# KiCad board SparkFun_GNSS_DAN-F10N_panelized.kicad_pcb (continued)
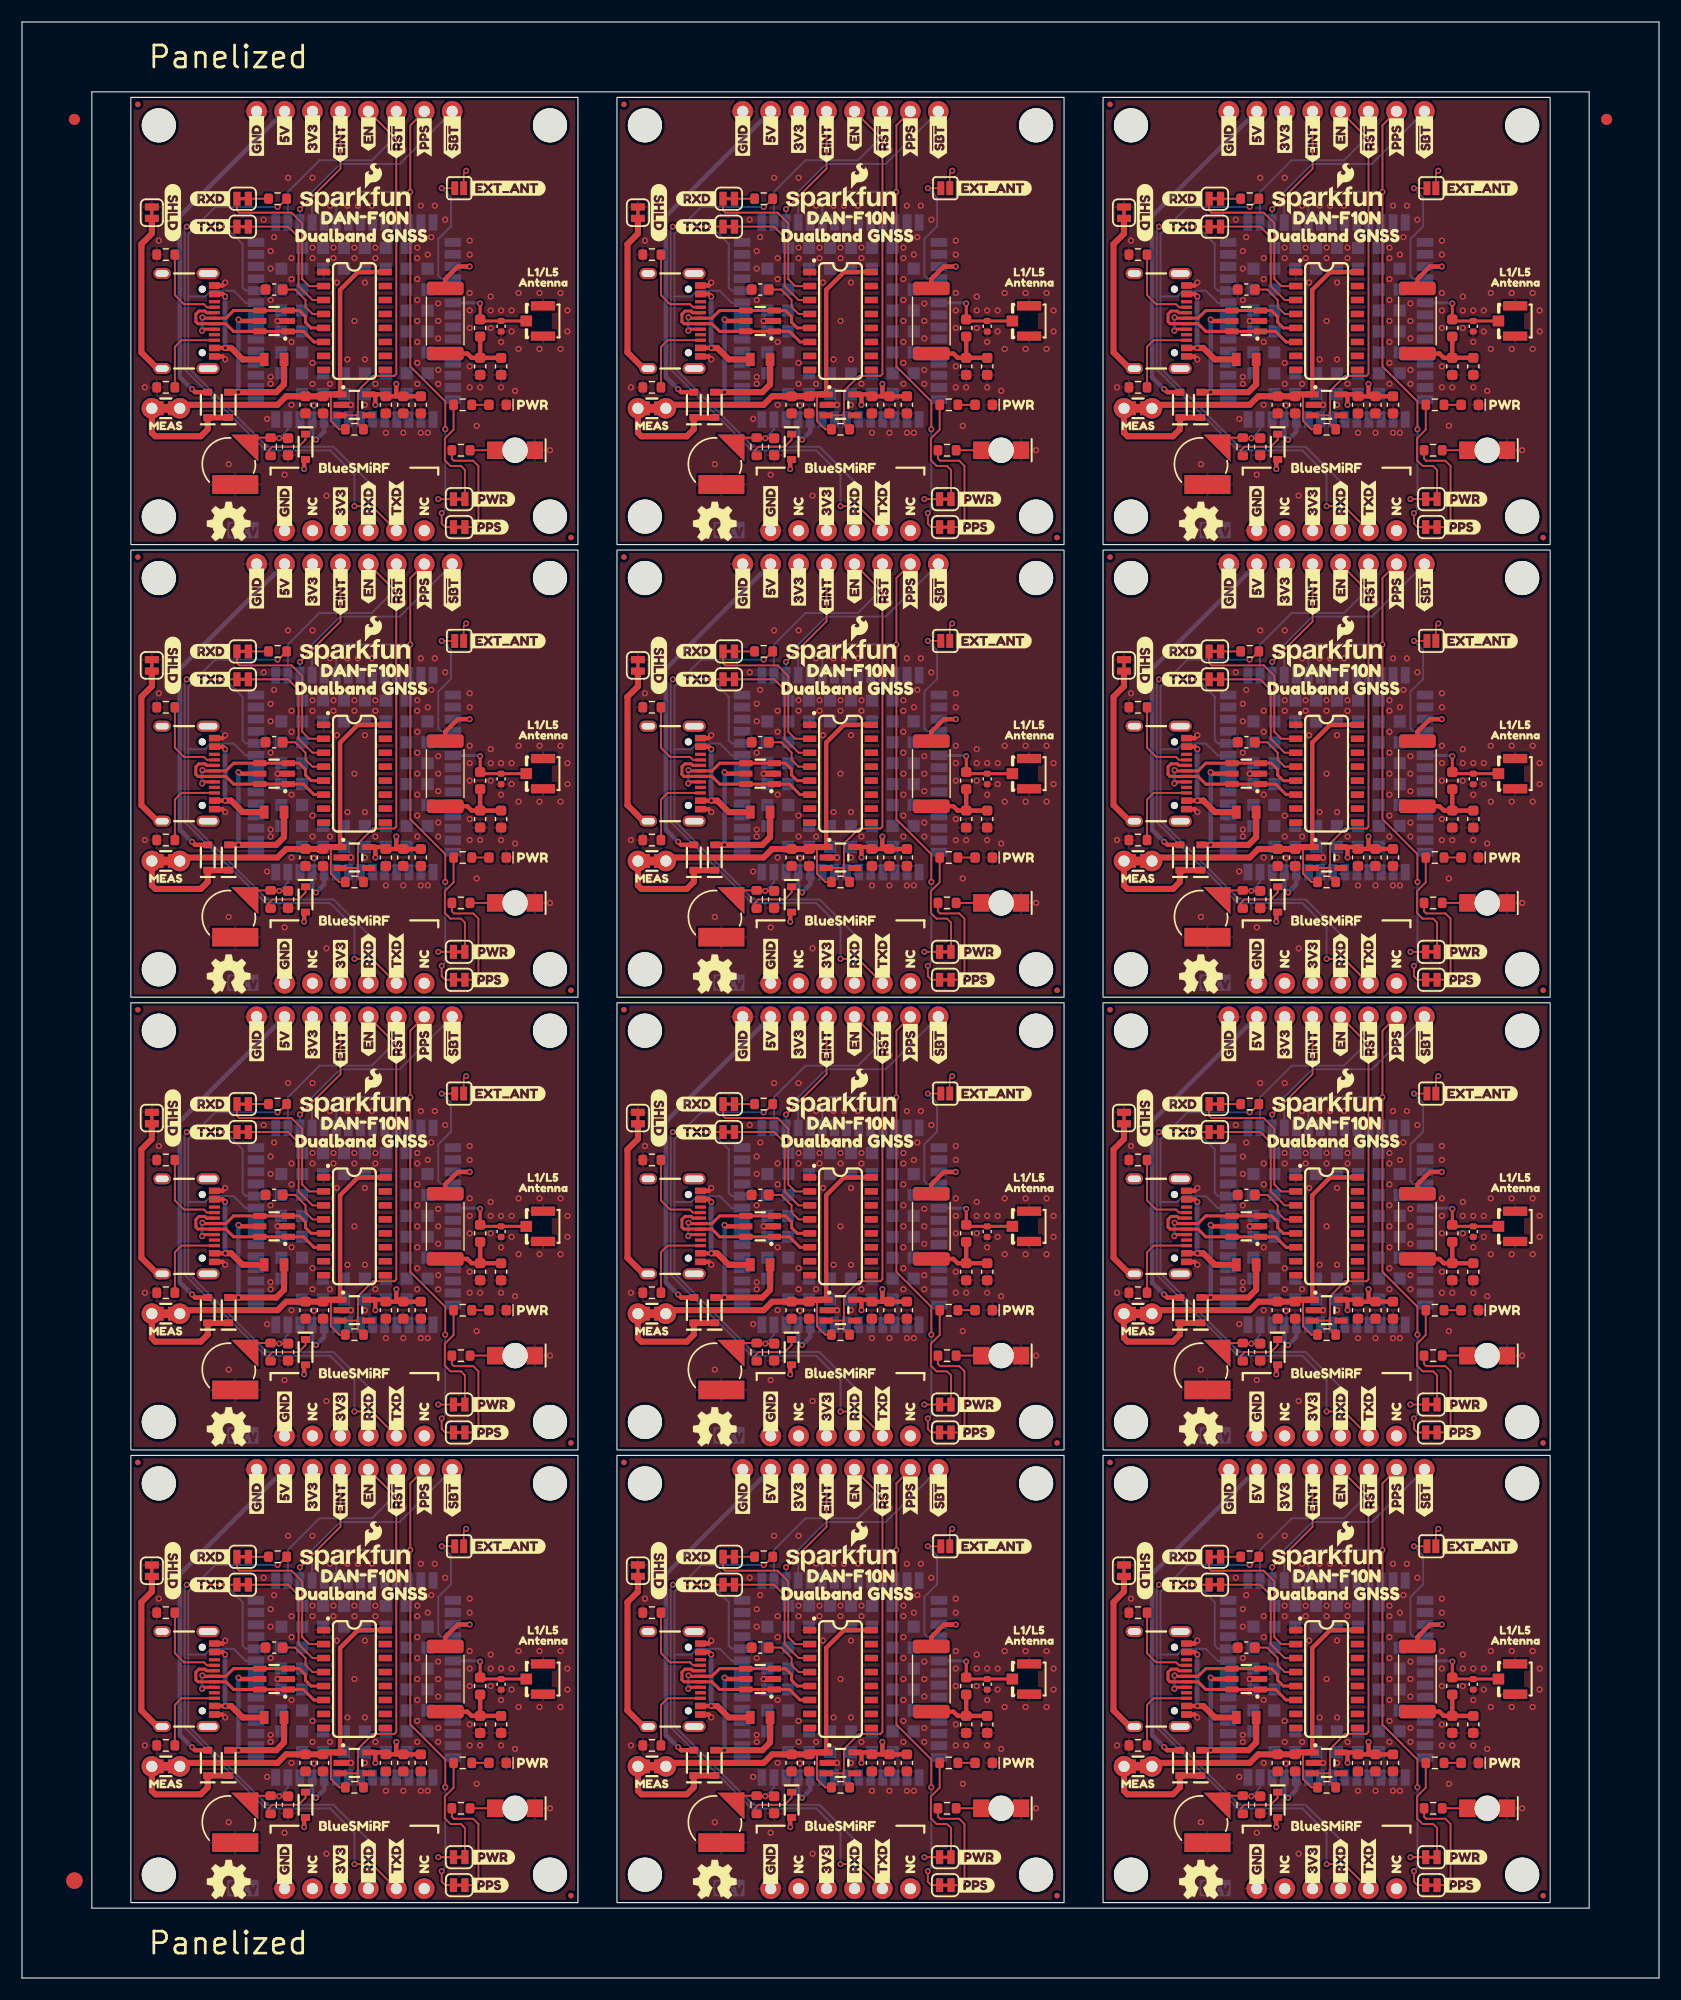
[diagram p0: board, top side]
## Routing (per net, layer and track width the routed paths; a pad name or vN(x,y) marks a point on that pad's centre or on a via; arc(x,y) is an arc through that point) (continued)
  Bottom w0.406: v1(84.88,73.26) U6#7.31 ; v1(84.88,32.12) U6#3.31 ; v1(40.7,32.12) U6.31 ; v1(84.88,155.54) U6#8.31 ; v1(129.07,73.26) U6#10.31 ; v1(40.7,114.4) U6#2.31 ; v1(84.88,114.4) U6#12.31 ; v1(40.7,73.26) U6#5.31 ; v1(129.07,155.54) U6#11.31 ; v1(129.07,114.4) U6#6.31 ; v1(129.07,32.12) U6#9.31 ; v1(40.7,155.54) U6#4.31
VDD: length 401.4
  Top w0.178: 28,102.78 28.08,102.7 28.08,100.36 28.83,99.61 R12.2 ; 28,61.64 28.08,61.56 28.08,59.22 28.83,58.47 R12#4.2 ; 72.18,20.5 72.26,20.42 72.26,18.08 73.02,17.33 R12#6.2 ; R12#10.2 117.21,58.47 116.45,59.22 116.45,61.56 116.37,61.64 ; 116.37,20.5 116.45,20.42 116.45,18.08 117.21,17.33 R12#8.2 ; R12#5.2 28.83,140.75 28.08,141.5 28.08,143.84 28,143.92 ; 72.18,143.92 72.26,143.84 72.26,141.5 73.02,140.75 R12#3.2 ; R12#12.2 28.83,17.33 28.08,18.08 28.08,20.42 28,20.5 ; R12#9.2 117.21,140.75 116.45,141.5 116.45,143.84 116.37,143.92 ; R12#2.2 73.02,58.47 72.26,59.22 72.26,61.56 72.18,61.64 ; R12#7.2 73.02,99.61 72.26,100.36 72.26,102.7 72.18,102.78 ; R12#11.2 117.21,99.61 116.45,100.36 116.45,102.7 116.37,102.78
  Top w0.406: U3#2.1 73.11,71.14 74.72,72.75 U4#8.16 ; U3#8.1 28.92,153.42 30.54,155.03 U4#5.16 ; U4#2.16 30.54,72.75 28.92,71.14 U3#9.1 ; U3#6.1 73.11,30 74.72,31.62 U4#6.16 ; U4#11.16 118.91,31.62 117.29,30 U3#4.1 ; U3#7.1 28.92,112.28 30.54,113.9 U4#4.16 ; U3#11.1 117.29,153.42 118.91,155.03 U4#12.16 ; U4#3.16 74.72,155.03 73.11,153.42 U3#5.1 ; U3#10.1 73.11,112.28 74.72,113.9 U4#7.16 ; U4#10.16 118.91,113.9 117.29,112.28 U3#12.1 ; U4.16 30.54,31.62 28.92,30 U3.1 ; U4#9.16 118.91,72.75 117.29,71.14 U3#3.1
  Top w0.559: U3#8.1 27.54,143.92 C7#2.1 C14#8.1 24.01,143.75 23.23,142.97 14.66,142.97 JP11#5.2 ; U3#3.1 115.91,61.64 C7#11.1 C14#11.1 112.38,61.47 111.61,60.69 103.04,60.69 JP11#11.2 ; U3#4.1 115.91,20.5 C7#4.1 C14#9.1 112.38,20.33 111.61,19.55 103.04,19.55 JP11#10.2 ; JP11#7.2 58.85,60.69 67.42,60.69 68.2,61.47 C14#5.1 C7#8.1 71.72,61.64 U3#2.1 ; U3#11.1 115.91,143.92 C7#10.1 C14#7.1 112.38,143.75 111.61,142.97 103.04,142.97 JP11#12.2 ; JP11#6.2 58.85,101.83 67.42,101.83 68.2,102.61 C14#2.1 C7#3.1 71.72,102.78 U3#10.1 ; JP11#9.2 58.85,19.55 67.42,19.55 68.2,20.33 C14#4.1 C7#6.1 71.72,20.5 U3#6.1 ; U3#12.1 115.91,102.78 C7#12.1 C14#12.1 112.38,102.61 111.61,101.83 103.04,101.83 JP11#4.2 ; U3#5.1 71.72,143.92 C7#9.1 C14#10.1 68.2,143.75 67.42,142.97 58.85,142.97 JP11#3.2 ; U3#7.1 27.54,102.78 C7#5.1 C14#3.1 24.01,102.61 23.23,101.83 14.66,101.83 JP11#2.2 ; U3#9.1 27.54,61.64 C7#7.1 C14#6.1 24.01,61.47 23.23,60.69 14.66,60.69 JP11#8.2 ; U3.1 27.54,20.5 C7.1 C14.1 24.01,20.33 23.23,19.55 14.66,19.55 JP11.2
ANT_IN: length 98.4
  Top w0.282: J4#2.1 D4#2.2 41.79,109.45 L1#4.2 v1(41.65,111.04) ; J4#3.1 D4#11.2 130.16,27.17 L1#7.2 v1(130.02,28.76) ; v1(41.65,28.76) L1.2 41.79,27.17 D4.2 J4.1 ; J4#5.1 D4#8.2 41.79,150.59 L1#5.2 v1(41.65,152.18) ; v1(85.84,152.18) L1#8.2 85.98,150.59 D4#10.2 90.03,150.59 ; v1(41.65,69.9) L1#2.2 41.79,68.31 D4#7.2 J4#4.1 ; 90.03,27.17 D4#3.2 85.98,27.17 L1#6.2 v1(85.84,28.76) ; 90.03,68.31 D4#9.2 85.98,68.31 L1#3.2 v1(85.84,69.9) ; v1(85.84,111.04) L1#11.2 85.98,109.45 D4#4.2 90.03,109.45 ; v1(130.02,69.9) L1#12.2 130.16,68.31 D4#5.2 J4#12.1 ; J4#11.1 D4#6.2 130.16,150.59 L1#10.2 v1(130.02,152.18) ; v1(130.02,111.04) L1#9.2 130.16,109.45 D4#12.2 J4#10.1
  Bottom w0.282: v1(41.65,111.04) 41.59,111.1 U6#2.34 ; U6#5.34 41.59,69.96 v1(41.65,69.9) ; v1(130.02,69.9) 129.96,69.96 U6#10.34 ; v1(130.02,111.04) 129.96,111.1 U6#6.34 ; v1(41.65,152.18) 41.59,152.24 U6#4.34 ; v1(85.84,152.18) 85.77,152.24 U6#8.34 ; v1(85.84,28.76) 85.77,28.82 U6#3.34 ; v1(85.84,69.9) 85.77,69.96 U6#7.34 ; v1(41.65,28.76) 41.59,28.82 U6.34 ; U6#9.34 129.96,28.82 v1(130.02,28.76) ; U6#11.34 129.96,152.24 v1(130.02,152.18) ; U6#12.34 85.77,111.1 v1(85.84,111.04)
EXT_ANT: length 136.7
  Top w0.152: JP1#6.2 v1(82.34,39.23) ; JP1#2.2 v1(82.34,162.66) ; JP1#9.2 v1(126.53,121.52) ; JP1#5.2 v1(38.16,162.66) ; JP1#12.2 v1(126.53,162.66) ; JP1.2 v1(38.16,39.23) ; JP1#10.2 v1(126.53,80.38) ; JP1#7.2 v1(82.34,80.38) ; JP1#3.2 v1(38.16,121.52) ; JP1#11.2 v1(126.53,39.23) ; JP1#4.2 v1(38.16,80.38) ; JP1#8.2 v1(82.34,121.52)
  Bottom w0.178: v1(126.53,121.52) 127.37,120.68 127.37,118.06 126.21,116.9 126.21,113.58 126.49,113.3 U6#6.32 ; U6#9.32 126.49,31.02 126.21,31.3 126.21,34.62 127.37,35.78 127.37,38.4 v1(126.53,39.23) ; U6#12.32 82.3,113.3 82.03,113.58 82.03,116.9 83.18,118.06 83.18,120.68 v1(82.34,121.52) ; U6#4.32 38.12,154.44 37.84,154.72 37.84,158.04 38.99,159.2 38.99,161.82 v1(38.16,162.66) ; U6#2.32 38.12,113.3 37.84,113.58 37.84,116.9 38.99,118.06 38.99,120.68 v1(38.16,121.52) ; v1(82.34,39.23) 83.18,38.4 83.18,35.78 82.03,34.62 82.03,31.3 82.3,31.02 U6#3.32 ; U6#10.32 126.49,72.16 126.21,72.44 126.21,75.76 127.37,76.92 127.37,79.54 v1(126.53,80.38) ; v1(38.16,80.38) 38.99,79.54 38.99,76.92 37.84,75.76 37.84,72.44 38.12,72.16 U6#5.32 ; U6#7.32 82.3,72.16 82.03,72.44 82.03,75.76 83.18,76.92 83.18,79.54 v1(82.34,80.38) ; v1(126.53,162.66) 127.37,161.82 127.37,159.2 126.21,158.04 126.21,154.72 126.49,154.44 U6#11.32 ; v1(82.34,162.66) 83.18,161.82 83.18,159.2 82.03,158.04 82.03,154.72 82.3,154.44 U6#8.32 ; U6.32 38.12,31.02 37.84,31.3 37.84,34.62 38.99,35.78 38.99,38.4 v1(38.16,39.23)
EXTINT: length 139.5
  Top w0.178: v1(25.27,78.47) 28.95,82.15 J5#2.5 ; J5#5.5 73.14,82.15 v1(69.46,78.47) ; J5#8.5 73.14,41.01 v1(69.46,37.33) ; J5#7.5 73.14,164.43 v1(69.46,160.75) ; v1(25.27,160.75) 28.95,164.43 J5.5 ; v1(113.64,78.47) 117.32,82.15 J5#9.5 ; v1(25.27,119.61) 28.95,123.29 J5#4.5 ; v1(113.64,37.33) 117.32,41.01 J5#3.5 ; v1(25.27,37.33) 28.95,41.01 J5#12.5 ; J5#11.5 117.32,164.43 v1(113.64,160.75) ; v1(113.64,119.61) 117.32,123.29 J5#10.5 ; v1(69.46,119.61) 73.14,123.29 J5#6.5
  Bottom w0.178: v1(25.27,37.33) U6.17 ; v1(25.27,78.47) U6#5.17 ; v1(25.27,160.75) U6#4.17 ; v1(113.64,78.47) U6#10.17 ; v1(113.64,37.33) U6#9.17 ; v1(113.64,160.75) U6#11.17 ; v1(69.46,78.47) 69.46,77.26 ; v1(25.27,119.61) 25.27,118.4 ; v1(69.46,119.61) 69.46,118.4 ; v1(69.46,160.75) 69.46,159.54 ; v1(69.46,37.33) 69.46,36.12 ; v1(113.64,119.61) 113.64,118.4
PPS: length 596.9
  Top w0.178: v1(38.47,58.47) 38.47,58.47 38.47,61 35.3,64.18 v1(35.3,80.04) 35.3,86.09 J5#2.2 ; JP3#10.2 38.47,49.58 38.16,49.89 v1(38.16,50.85) ; v1(126.53,91.99) 126.53,91.03 126.85,90.72 JP3#5.2 ; v1(82.66,140.75) 82.66,140.75 82.66,143.28 79.49,146.46 v1(79.49,162.32) 79.49,168.37 J5#7.2 ; v1(82.66,99.61) 82.66,99.61 82.66,102.14 79.49,105.32 v1(79.49,121.18) 79.49,127.23 J5#6.2 ; 124.94,46.22 123.67,44.95 v1(123.67,38.9) 123.67,23.04 126.85,19.86 126.85,17.33 v1(126.85,17.33) ; JP3#7.2 82.66,90.72 82.34,91.03 v1(82.34,91.99) ; JP3#3.2 126.85,49.58 126.53,49.89 v1(126.53,50.85) ; v1(38.47,17.33) 38.47,17.33 38.47,19.86 35.3,23.04 v1(35.3,38.9) 35.3,44.95 J5#12.2 ; v1(38.16,133.13) 38.16,132.18 38.47,131.86 JP3#11.2 ; v1(38.16,91.99) 38.16,91.03 38.47,90.72 JP3#12.2 ; 124.94,169.64 123.67,168.37 v1(123.67,162.32) 123.67,146.46 126.85,143.28 126.85,140.75 v1(126.85,140.75) ; 124.94,87.36 123.67,86.09 v1(123.67,80.04) 123.67,64.18 126.85,61 126.85,58.47 v1(126.85,58.47) ; v1(82.34,9.71) 82.34,8.76 82.66,8.44 JP3#9.2 ; v1(126.85,99.61) 126.85,99.61 126.85,102.14 123.67,105.32 v1(123.67,121.18) 123.67,127.23 124.94,128.5 ; v1(82.34,133.13) 82.34,132.18 82.66,131.86 JP3#4.2 ; v1(82.34,50.85) 82.34,49.89 82.66,49.58 JP3#8.2 ; JP3#2.2 126.85,8.44 126.53,8.76 v1(126.53,9.71) ; v1(38.16,9.71) 38.16,8.76 38.47,8.44 JP3.2 ; JP3#6.2 126.85,131.86 126.53,132.18 v1(126.53,133.13) ; J5#4.2 35.3,127.23 v1(35.3,121.18) 35.3,105.32 38.47,102.14 38.47,99.61 v1(38.47,99.61) ; J5#5.2 79.49,86.09 v1(79.49,80.04) 79.49,64.18 82.66,61 82.66,58.47 v1(82.66,58.47) ; J5.2 35.3,168.37 v1(35.3,162.32) 35.3,146.46 38.47,143.28 38.47,140.75 v1(38.47,140.75) ; v1(82.66,17.33) 82.66,17.33 82.66,19.86 79.49,23.04 v1(79.49,38.9) 79.49,44.95 J5#8.2
  Bottom w0.178: v1(38.47,17.33) 38.47,10.03 v1(38.16,9.71) ; v1(38.47,140.75) 38.47,133.44 v1(38.16,133.13) ; v1(123.67,80.04) 117.64,80.04 116.94,79.35 U6#10.20 ; v1(126.53,91.99) 126.85,92.31 v1(126.85,99.61) ; v1(79.49,121.18) 73.45,121.18 72.76,120.49 72.76,118.4 ; v1(82.66,17.33) 82.66,10.03 v1(82.34,9.71) ; v1(82.34,91.99) 82.66,92.31 v1(82.66,99.61) ; v1(38.16,50.85) 38.47,51.17 v1(38.47,58.47) ; v1(35.3,162.32) 29.27,162.32 28.57,161.63 U6#4.20 ; v1(38.16,91.99) 38.47,92.31 v1(38.47,99.61) ; v1(35.3,121.18) 29.27,121.18 28.57,120.49 28.57,118.4 ; v1(126.85,17.33) 126.85,10.03 v1(126.53,9.71) ; U6#7.20 72.76,79.35 73.45,80.04 v1(79.49,80.04) ; v1(126.53,50.85) 126.85,51.17 v1(126.85,58.47) ; v1(79.49,162.32) 73.45,162.32 72.76,161.63 U6#8.20 ; v1(82.66,140.75) 82.66,133.44 v1(82.34,133.13) ; 116.94,118.4 116.94,120.49 117.64,121.18 v1(123.67,121.18) ; U6#9.20 116.94,38.21 117.64,38.9 v1(123.67,38.9) ; U6#11.20 116.94,161.63 117.64,162.32 v1(123.67,162.32) ; v1(82.66,58.47) 82.66,51.17 v1(82.34,50.85) ; U6.20 28.57,38.21 29.27,38.9 v1(35.3,38.9) ; v1(79.49,38.9) 73.45,38.9 72.76,38.21 U6#3.20 ; v1(126.53,133.13) 126.85,133.44 v1(126.85,140.75) ; v1(35.3,80.04) 29.27,80.04 28.57,79.35 U6#5.20
RXD: length 652.4
  Top w0.178: R3#2.1 23.31,160.95 v1(23.23,160.95) ; v1(67.42,78.67) 67.5,78.67 68.25,79.42 ; R3.1 23.31,37.53 v1(23.23,37.53) ; v1(23.23,119.81) 23.31,119.81 R3#7.1 ; v1(111.61,78.67) 111.69,78.67 R3#4.1 ; v1(67.42,37.53) 67.5,37.53 68.25,38.28 ; 68.25,120.56 67.5,119.81 v1(67.42,119.81) ; v1(23.23,78.67) 23.31,78.67 R3#6.1 ; R3#12.1 111.69,160.95 v1(111.61,160.95) ; 68.25,161.7 67.5,160.95 v1(67.42,160.95) ; v1(111.61,37.53) 111.69,37.53 R3#5.1 ; v1(111.61,119.81) 111.69,119.81 R3#3.1
  Bottom w0.178: 103.49,152.81 105.03,152.81 105.56,153.33 107.62,153.33 108.72,152.24 U6#11.9 ; 103.49,152.81 103.49,158.51 105.94,160.95 v1(111.61,160.95) ; 103.49,152.81 103.49,146.32 110.66,139.16 116.69,139.16 119.86,135.99 J2#12.3 ; 15.12,111.67 15.12,117.37 17.56,119.81 v1(23.23,119.81) ; 15.12,111.67 16.66,111.67 17.18,112.19 19.25,112.19 20.34,111.1 U6#2.9 ; 15.12,111.67 15.12,105.18 22.28,98.02 28.31,98.02 31.49,94.84 J2#4.3 ; v1(67.42,37.53) 61.75,37.53 59.31,35.09 59.31,29.39 ; 59.31,70.53 59.31,76.23 61.75,78.67 v1(67.42,78.67) ; 59.31,70.53 60.85,70.53 61.37,71.05 63.43,71.05 64.53,69.96 65.46,69.96 ; 59.31,70.53 59.31,64.04 66.47,56.88 72.5,56.88 75.68,53.7 J2#3.3 ; 65.46,28.82 64.53,28.82 63.43,29.91 61.37,29.91 60.85,29.39 59.31,29.39 ; J2#10.3 75.68,135.99 72.5,139.16 66.47,139.16 59.31,146.32 59.31,152.81 ; v1(67.42,119.81) 61.75,119.81 59.31,117.37 59.31,111.67 ; U6#10.9 108.72,69.96 107.62,71.05 105.56,71.05 105.03,70.53 103.49,70.53 ; 15.12,152.81 16.66,152.81 17.18,153.33 19.25,153.33 20.34,152.24 U6#4.9 ; 15.12,152.81 15.12,146.32 22.28,139.16 28.31,139.16 31.49,135.99 J2#7.3 ; 15.12,152.81 15.12,158.51 17.56,160.95 v1(23.23,160.95) ; 103.49,29.39 103.49,35.09 105.94,37.53 v1(111.61,37.53) ; 103.49,29.39 105.03,29.39 105.56,29.91 107.62,29.91 108.72,28.82 U6#9.9 ; 103.49,29.39 103.49,22.9 110.66,15.74 116.69,15.74 119.86,12.56 J2#5.3 ; U6.9 20.34,28.82 19.25,29.91 17.18,29.91 16.66,29.39 15.12,29.39 ; U6#6.9 108.72,111.1 107.62,112.19 105.56,112.19 105.03,111.67 103.49,111.67 ; J2#11.3 119.86,53.7 116.69,56.88 110.66,56.88 103.49,64.04 103.49,70.53 ; 59.31,29.39 59.31,22.9 66.47,15.74 72.5,15.74 75.68,12.56 J2#8.3 ; J2.3 31.49,12.56 28.31,15.74 22.28,15.74 15.12,22.9 15.12,29.39 ; v1(111.61,78.67) 105.94,78.67 103.49,76.23 103.49,70.53 ; v1(111.61,119.81) 105.94,119.81 103.49,117.37 103.49,111.67 ; 15.12,70.53 15.12,76.23 17.56,78.67 v1(23.23,78.67) ; 15.12,70.53 16.66,70.53 17.18,71.05 19.25,71.05 20.34,69.96 U6#5.9 ; 15.12,70.53 15.12,64.04 22.28,56.88 28.31,56.88 31.49,53.7 J2#2.3 ; 65.46,111.1 64.53,111.1 63.43,112.19 61.37,112.19 60.85,111.67 59.31,111.67 ; 59.31,152.81 59.31,158.51 61.75,160.95 v1(67.42,160.95) ; 59.31,152.81 60.85,152.81 61.37,153.33 63.43,153.33 64.53,152.24 65.46,152.24 ; 15.12,29.39 15.12,35.09 17.56,37.53 v1(23.23,37.53) ; 59.31,111.67 59.31,105.18 66.47,98.02 72.5,98.02 75.68,94.84 J2#9.3 ; J2#6.3 119.86,94.84 116.69,98.02 110.66,98.02 103.49,105.18 103.49,111.67
TXD: length 625.4
  Top w0.178: v1(30.22,133.76) 31.81,133.76 34.03,131.54 ; 34.03,49.26 31.81,51.48 v1(30.22,51.48) ; v1(59.17,35.74) v1(62.66,35.74) JP10#3.2 ; JP10#6.2 v1(62.66,118.02) v1(59.17,118.02) ; v1(14.98,35.74) v1(18.47,35.74) JP10.2 ; v1(59.17,159.16) v1(62.66,159.16) JP10#8.2 ; JP10#4.2 v1(18.47,159.16) v1(14.98,159.16) ; v1(103.35,159.16) v1(106.85,159.16) JP10#12.2 ; v1(118.59,133.76) 120.18,133.76 J2#12.2 ; v1(118.59,10.34) 120.18,10.34 J2#5.2 ; J2#3.2 75.99,51.48 v1(74.41,51.48) ; v1(103.35,35.74) v1(106.85,35.74) JP10#7.2 ; 34.03,90.4 31.81,92.62 v1(30.22,92.62) ; J2#9.2 75.99,92.62 v1(74.41,92.62) ; JP10#9.2 v1(18.47,118.02) v1(14.98,118.02) ; v1(103.35,76.88) v1(106.85,76.88) JP10#5.2 ; v1(59.17,76.88) v1(62.66,76.88) JP10#10.2 ; J2#8.2 75.99,10.34 v1(74.41,10.34) ; J2#11.2 120.18,51.48 v1(118.59,51.48) ; v1(14.98,76.88) v1(18.47,76.88) JP10#2.2 ; v1(118.59,92.62) 120.18,92.62 J2#6.2 ; J2#10.2 75.99,133.76 v1(74.41,133.76) ; v1(103.35,118.02) v1(106.85,118.02) JP10#11.2 ; 34.03,8.12 31.81,10.34 v1(30.22,10.34)
  Bottom w0.178: v1(18.47,159.16) 20.06,157.57 20.06,153.62 20.34,153.34 U6#4.10 ; v1(14.98,76.88) 14.79,76.69 14.79,63.91 22.14,56.55 28.01,56.55 30.22,54.34 v1(30.22,51.48) ; U6.10 20.34,29.92 20.06,30.2 20.06,34.16 v1(18.47,35.74) ; 65.46,29.92 64.53,29.92 64.25,30.2 64.25,34.16 v1(62.66,35.74) ; U6#9.10 108.72,29.92 108.43,30.2 108.43,34.16 v1(106.85,35.74) ; v1(30.22,10.34) 30.22,13.2 28.01,15.41 22.14,15.41 14.79,22.77 14.79,35.55 v1(14.98,35.74) ; v1(118.59,133.76) 118.59,136.62 116.38,138.83 110.52,138.83 103.16,146.19 103.16,158.97 v1(103.35,159.16) ; U6#5.10 20.34,71.06 20.06,71.34 20.06,75.3 v1(18.47,76.88) ; v1(103.35,118.02) 103.16,117.83 103.16,105.05 110.52,97.69 116.38,97.69 118.59,95.48 v1(118.59,92.62) ; U6#6.10 108.72,112.2 108.43,112.48 108.43,116.44 v1(106.85,118.02) ; v1(106.85,159.16) 108.43,157.57 108.43,153.62 108.72,153.34 U6#11.10 ; v1(14.98,159.16) 14.79,158.97 14.79,146.19 22.14,138.83 28.01,138.83 30.22,136.62 v1(30.22,133.76) ; 65.46,71.06 64.53,71.06 64.25,71.34 64.25,75.3 v1(62.66,76.88) ; v1(103.35,35.74) 103.16,35.55 103.16,22.77 110.52,15.41 116.38,15.41 118.59,13.2 v1(118.59,10.34) ; v1(106.85,76.88) 108.43,75.3 108.43,71.34 108.72,71.06 U6#10.10 ; v1(103.35,76.88) 103.16,76.69 103.16,63.91 110.52,56.55 116.38,56.55 118.59,54.34 v1(118.59,51.48) ; v1(74.41,92.62) 74.41,95.48 72.2,97.69 66.33,97.69 58.98,105.05 58.98,117.83 v1(59.17,118.02) ; v1(18.47,118.02) 20.06,116.44 20.06,112.48 20.34,112.2 U6#2.10 ; v1(59.17,76.88) 58.98,76.69 58.98,63.91 66.33,56.55 72.2,56.55 74.41,54.34 v1(74.41,51.48) ; v1(59.17,35.74) 58.98,35.55 58.98,22.77 66.33,15.41 72.2,15.41 74.41,13.2 v1(74.41,10.34) ; 65.46,112.2 64.53,112.2 64.25,112.48 64.25,116.44 v1(62.66,118.02) ; v1(59.17,159.16) 58.98,158.97 58.98,146.19 66.33,138.83 72.2,138.83 74.41,136.62 v1(74.41,133.76) ; v1(62.66,159.16) 64.25,157.57 64.25,153.62 64.53,153.34 65.46,153.34 ; v1(14.98,118.02) 14.79,117.83 14.79,105.05 22.14,97.69 28.01,97.69 30.22,95.48 v1(30.22,92.62)
V_BCKP: length 78.8
  Top w0.178: 64.33,57.7 64.07,57.45 ; 112.24,16.52 v1(111.75,16.52) 110.71,16.52 110.66,16.56 ; 22.28,139.99 22.33,139.94 v1(23.38,139.94) 23.87,139.94 ; 109.7,57.94 BT1#10.+ 109.47,57.7 R7#6.1 ; 112.24,57.66 v1(111.75,57.66) 110.71,57.66 110.66,57.7 ; 109.7,99.08 BT1#11.+ 109.47,98.84 R7#7.1 ; 22.28,98.84 22.33,98.8 v1(23.38,98.8) 23.87,98.8 ; 108.52,57.7 108.26,57.45 ; 66.47,139.99 66.52,139.94 v1(67.57,139.94) 68.06,139.94 ; 66.47,57.7 66.52,57.66 v1(67.57,57.66) 68.06,57.66 ; 65.52,99.08 BT1#8.+ 65.29,98.84 R7#2.1 ; R7#9.1 21.1,98.84 BT1#6.+ 21.33,99.08 ; R7#4.1 65.29,139.99 BT1#9.+ 65.52,140.22 ; 108.52,139.99 108.26,139.72 ; 20.15,139.99 19.89,139.72 ; 20.15,98.84 19.89,98.59 ; 64.33,139.99 64.07,139.72 ; 109.7,16.8 BT1#4.+ 109.47,16.56 R7#3.1 ; R7#5.1 65.29,57.7 BT1#2.+ 65.52,57.94 ; R7#12.1 65.29,16.56 BT1#7.+ 65.52,16.8 ; 110.66,98.84 110.71,98.8 v1(111.75,98.8) 112.24,98.8 ; 23.87,57.66 v1(23.38,57.66) 22.33,57.66 22.28,57.7 ; 108.52,98.84 108.26,98.59 ; 108.52,16.56 108.26,16.31 ; 66.47,16.56 66.52,16.52 v1(67.57,16.52) 68.06,16.52 ; R7#11.1 21.1,57.7 BT1#5.+ 21.33,57.94 ; 109.7,140.22 BT1#12.+ 109.47,139.99 R7#8.1 ; 66.47,98.84 66.52,98.8 v1(67.57,98.8) 68.06,98.8 ; 20.15,57.7 19.89,57.45 ; 23.87,16.52 v1(23.38,16.52) 22.33,16.52 22.28,16.56 ; 64.33,98.84 64.07,98.59 ; 20.15,16.56 19.89,16.31 ; 110.66,139.99 110.71,139.94 v1(111.75,139.94) 112.24,139.94 ; R7#10.1 21.1,139.99 BT1#3.+ 21.33,140.22 ; 64.33,16.56 64.07,16.31 ; R7.1 21.1,16.56 BT1.+ 21.33,16.8
  Bottom w0.178: v1(23.38,139.94) 24.17,140.73 U6#4.55 ; v1(67.57,16.52) 68.36,17.31 U6#3.55 ; U6#8.55 68.36,140.73 v1(67.57,139.94) ; U6#7.55 68.36,58.45 v1(67.57,57.66) ; U6#12.55 68.36,99.59 v1(67.57,98.8) ; U6#9.55 112.54,17.31 v1(111.75,16.52) ; U6#6.55 112.54,99.59 v1(111.75,98.8) ; U6#2.55 24.17,99.59 v1(23.38,98.8) ; U6#5.55 24.17,58.45 v1(23.38,57.66) ; U6#11.55 112.54,140.73 v1(111.75,139.94) ; v1(23.38,16.52) 24.17,17.31 U6.55 ; U6#10.55 112.54,58.45 v1(111.75,57.66)
~{RESET}: length 203.7
  Bottom w0.178: U6#3.16 68.36,38.9 71.23,41.78 75.99,41.78 78.22,44 J5#8.3 ; 24.17,118.4 24.17,121.18 27.04,124.06 31.81,124.06 34.03,126.28 J5#4.3 ; J5#9.3 122.4,85.14 120.18,82.92 115.42,82.92 112.54,80.04 U6#10.16 ; J5#10.3 122.4,126.28 120.18,124.06 115.42,124.06 112.54,121.18 112.54,118.4 ; 68.36,118.4 68.36,121.18 71.23,124.06 75.99,124.06 78.22,126.28 J5#6.3 ; J5#11.3 122.4,167.42 120.18,165.19 115.42,165.19 112.54,162.32 U6#11.16 ; J5#5.3 78.22,85.14 75.99,82.92 71.23,82.92 68.36,80.04 U6#7.16 ; U6#9.16 112.54,38.9 115.42,41.78 120.18,41.78 122.4,44 J5#3.3 ; U6#4.16 24.17,162.32 27.04,165.19 31.81,165.19 34.03,167.42 J5.3 ; U6#5.16 24.17,80.04 27.04,82.92 31.81,82.92 34.03,85.14 J5#2.3 ; J5#12.3 34.03,44 31.81,41.78 27.04,41.78 24.17,38.9 U6.16 ; U6#8.16 68.36,162.32 71.23,165.19 75.99,165.19 78.22,167.42 J5#7.3
~{SAFEBOOT}: length 222.5
  Bottom w0.178: J5#12.1 34.33,41.44 28.94,41.44 26.37,38.88 U6.18 ; 114.74,118.4 114.74,121.16 117.31,123.72 122.71,123.72 J5#10.1 ; J5#4.1 34.33,123.72 28.94,123.72 26.37,121.16 26.37,118.4 ; U6#3.18 70.56,38.88 73.12,41.44 78.52,41.44 J5#8.1 ; J5#6.1 78.52,123.72 73.12,123.72 70.56,121.16 70.56,118.4 ; U6#11.18 114.74,162.3 117.31,164.86 122.71,164.86 J5#11.1 ; U6#10.18 114.74,80.02 117.31,82.58 122.71,82.58 J5#9.1 ; U6#8.18 70.56,162.3 73.12,164.86 78.52,164.86 J5#7.1 ; U6#7.18 70.56,80.02 73.12,82.58 78.52,82.58 J5#5.1 ; J5#2.1 34.33,82.58 28.94,82.58 26.37,80.02 U6#5.18 ; J5#3.1 122.71,41.44 117.31,41.44 114.74,38.88 U6#9.18 ; U6#4.18 26.37,162.3 28.94,164.86 34.33,164.86 J5.1
Net-(C1-Pad1): length 86.2
  Top w0.406: C2#12.1 C1.1 ; C2#12.1 41.65,25.76 ; C2#12.1 40.87,23.82 40.48,24.21 R6#2.2 ; L1#2.1 C2.1 ; C2.1 40.87,64.96 40.48,65.35 R6#7.2 ; C2.1 C1#4.1 ; R6#10.2 84.67,65.35 85.06,64.96 C2#3.1 ; R6#5.2 84.67,106.49 85.06,106.1 C2#8.1 ; C2#3.1 C1#6.1 ; C2#3.1 L1#3.1 ; C2#4.1 129.25,106.1 128.86,106.49 R6#11.2 ; C2#4.1 C1#11.1 ; C2#4.1 L1#9.1 ; C2#9.1 129.25,23.82 128.86,24.21 R6.2 ; C2#9.1 130.02,25.76 ; C2#9.1 C1#3.1 ; L1#10.1 C2#11.1 ; C2#11.1 C1#12.1 ; C2#11.1 129.25,147.24 128.86,147.63 R6#12.2 ; C2#5.1 C1#9.1 ; C2#5.1 85.06,23.82 84.67,24.21 R6#9.2 ; C2#5.1 85.84,25.76 ; L1#8.1 C2#2.1 ; C2#2.1 85.06,147.24 84.67,147.63 R6#3.2 ; C2#2.1 C1#5.1 ; C2#6.1 C1#2.1 ; C2#6.1 L1#4.1 ; C2#6.1 40.87,106.1 40.48,106.49 R6#8.2 ; C2#7.1 40.87,147.24 40.48,147.63 R6#6.2 ; C2#7.1 C1#8.1 ; C2#7.1 L1#5.1 ; C2#10.1 C1#10.1 ; C2#10.1 L1#12.1 ; C2#10.1 129.25,64.96 128.86,65.35 R6#4.2 ; L1#11.1 C2#8.1 ; C2#8.1 C1#7.1
Net-(D1-A): length 18.7
  Top w0.178: R4#9.1 D1#10.2 ; R4.1 D1#6.2 ; R4#10.1 D1#9.2 ; R4#12.1 D1#12.2 ; R4#2.1 D1#8.2 ; R4#11.1 D1#11.2 ; R4#8.1 D1#2.2 ; R4#3.1 D1#7.2 ; R4#6.1 D1#3.2 ; R4#5.1 D1#4.2 ; R4#7.1 D1.2 ; R4#4.1 D1#5.2
Net-(D2-K): length 128.1
  Top w0.559: JP11#12.1 100.18,140.43 100.5,140.11 104.62,140.11 105.26,140.75 D3#10.1 D2#12.1 ; JP11#6.1 55.99,99.29 56.31,98.97 60.44,98.97 61.07,99.61 D3#5.1 D2#2.1 ; JP11.1 11.8,17.01 12.12,16.69 16.25,16.69 16.88,17.33 16.88,18.4 18.79,18.4 ; JP11#4.1 100.18,99.29 100.5,98.97 104.62,98.97 105.26,99.61 D3#11.1 D2#9.1 ; D2#3.1 D3#3.1 16.88,99.61 16.25,98.97 12.12,98.97 11.8,99.29 JP11#2.1 ; 107.16,18.4 105.26,18.4 105.26,17.33 104.62,16.69 100.5,16.69 100.18,17.01 JP11#10.1 ; JP11#5.1 11.8,140.43 12.12,140.11 16.25,140.11 16.88,140.75 D3#8.1 D2#4.1 ; D2#8.1 D3#12.1 105.26,58.47 104.62,57.83 100.5,57.83 100.18,58.15 JP11#11.1 ; JP11#7.1 55.99,58.15 56.31,57.83 60.44,57.83 61.07,58.47 D3#9.1 D2#7.1 ; JP11#3.1 55.99,140.43 56.31,140.11 60.44,140.11 61.07,140.75 D3#6.1 D2#10.1 ; JP11#8.1 11.8,58.15 12.12,57.83 16.25,57.83 16.88,58.47 D3#7.1 D2#5.1 ; 62.98,18.4 61.07,18.4 61.07,17.33 60.44,16.69 56.31,16.69 55.99,17.01 JP11#9.1
Net-(D5-K): length 57
  Top w0.178: 22.44,14.92 22.44,15.42 22.76,15.74 25.14,15.74 25.77,16.38 25.77,16.89 ; 114.15,16.89 114.15,16.38 113.51,15.74 111.13,15.74 110.82,15.42 110.82,14.92 ; D5#8.1 114.15,98.66 113.51,98.02 111.13,98.02 110.82,97.7 110.82,97.2 ; D5#10.1 69.96,98.66 69.33,98.02 66.94,98.02 66.63,97.7 66.63,97.2 ; 25.77,58.03 25.77,57.52 25.14,56.88 22.76,56.88 22.44,56.56 22.44,56.06 ; D5.1 25.77,98.66 25.14,98.02 22.76,98.02 22.44,97.7 22.44,97.2 ; 66.63,14.92 66.63,15.42 66.94,15.74 69.33,15.74 69.96,16.38 69.96,16.89 ; 114.15,140.31 114.15,139.8 113.51,139.16 111.13,139.16 110.82,138.84 110.82,138.34 ; 66.63,138.34 66.63,138.84 66.94,139.16 69.33,139.16 69.96,139.8 69.96,140.31 ; 69.96,58.03 69.96,57.52 69.33,56.88 66.94,56.88 66.63,56.56 66.63,56.06 ; 110.82,56.06 110.82,56.56 111.13,56.88 113.51,56.88 114.15,57.52 114.15,58.03 ; 25.77,140.31 25.77,139.8 25.14,139.16 22.76,139.16 22.44,138.84 22.44,138.34
Net-(D6-A): length 27.6
  Top w0.178: R5#9.1 D6#12.2 ; R5#3.1 D6#3.2 ; R5#5.1 D6#9.2 ; R5#12.1 D6.2 ; R5#2.1 D6#6.2 ; R5#6.1 D6#7.2 ; R5#11.1 D6#11.2 ; R5#8.1 D6#4.2 ; R5#4.1 D6#8.2 ; R5#7.1 D6#2.2 ; R5.1 D6#5.2 ; R5#10.1 D6#10.2
Net-(F1-Pad2): length 128.4
  Top w0.406: J1#4.VBUS 62.43,111.9 v1(62.66,111.67) ; v1(106.85,111.67) 106.62,111.9 J1#3.VBUS ; v1(18.47,152.81) 18.24,153.04 J1#7.VBUS ; J1#5.VBUS 62.43,153.04 v1(62.66,152.81) ; J1#9.VBUS 106.62,29.62 v1(106.85,29.39) ; J1#5.VBUS v1(62.66,148.14) ; J1#8.VBUS 62.43,29.62 v1(62.66,29.39) ; J1#10.VBUS 106.62,70.76 v1(106.85,70.53) ; J1#11.VBUS 106.62,153.04 v1(106.85,152.81) ; J1#6.VBUS 18.24,111.9 v1(18.47,111.67) ; J1#11.VBUS v1(106.85,148.14) ; J1#12.VBUS v1(18.47,24.72) ; J1#10.VBUS v1(106.85,65.86) ; J1.VBUS v1(18.47,65.86) ; J1#3.VBUS v1(106.85,107) ; J1#9.VBUS v1(106.85,24.72) ; J1#4.VBUS v1(62.66,107) ; J1#6.VBUS v1(18.47,107) ; v1(62.66,70.53) 62.43,70.76 J1#2.VBUS ; J1#7.VBUS v1(18.47,148.14) ; v1(18.47,70.53) 18.24,70.76 J1.VBUS ; J1#8.VBUS v1(62.66,24.72) ; v1(18.47,29.39) 18.24,29.62 J1#12.VBUS ; J1#2.VBUS v1(62.66,65.86)
  Top w0.559: F1#5.2 20.06,105.96 19.02,107 v1(18.47,107) ; F1#2.2 64.25,105.96 63.2,107 v1(62.66,107) ; v1(18.47,24.72) 19.02,24.72 20.06,23.68 F1.2 ; v1(62.66,24.72) 63.2,24.72 64.25,23.68 F1#7.2 ; F1#8.2 64.25,147.1 63.2,148.14 v1(62.66,148.14) ; F1#4.2 64.25,64.82 63.2,65.86 v1(62.66,65.86) ; F1#11.2 108.43,147.1 107.39,148.14 v1(106.85,148.14) ; F1#10.2 108.43,105.96 107.39,107 v1(106.85,107) ; v1(18.47,148.14) 19.02,148.14 20.06,147.1 F1#3.2 ; F1#12.2 108.43,23.68 107.39,24.72 v1(106.85,24.72) ; F1#9.2 108.43,64.82 107.39,65.86 v1(106.85,65.86) ; v1(18.47,65.86) 19.02,65.86 20.06,64.82 F1#6.2
  Bottom w0.406: v1(18.47,152.81) v1(18.47,148.14) ; v1(106.85,111.67) v1(106.85,107) ; v1(106.85,70.53) v1(106.85,65.86) ; v1(106.85,152.81) v1(106.85,148.14) ; v1(62.66,70.53) v1(62.66,65.86) ; v1(18.47,70.53) v1(18.47,65.86) ; v1(18.47,111.67) v1(18.47,107) ; v1(18.47,29.39) v1(18.47,24.72) ; v1(62.66,152.81) v1(62.66,148.14) ; v1(62.66,29.39) v1(62.66,24.72) ; v1(62.66,111.67) v1(62.66,107) ; v1(106.85,29.39) v1(106.85,24.72)
Net-(J1-CC1): length 92.8
  Top w0.178: J1#7.A5 16.81,151.84 16.54,152.11 14.72,152.11 13.9,152.94 R2#9.2 ; J1#3.A5 105.19,110.7 104.92,110.97 103.1,110.97 102.27,111.8 R2#3.2 ; J1#4.A5 61,110.7 60.73,110.97 58.91,110.97 58.09,111.8 58.09,115.48 ; 58.09,156.62 58.09,152.94 58.91,152.11 60.73,152.11 61,151.84 J1#5.A5 ; J1#2.A5 61,69.56 60.73,69.83 58.91,69.83 58.09,70.66 58.09,74.34 ; R2.2 13.9,70.66 14.72,69.83 16.54,69.83 16.81,69.56 J1.A5 ; J1#10.A5 105.19,69.56 104.92,69.83 103.1,69.83 102.27,70.66 R2#6.2 ; J1#12.A5 16.81,28.42 16.54,28.69 14.72,28.69 13.9,29.52 R2#12.2 ; 58.09,33.2 58.09,29.52 58.91,28.69 60.73,28.69 61,28.42 J1#8.A5 ; R2#11.2 102.27,152.94 103.1,152.11 104.92,152.11 105.19,151.84 J1#11.A5 ; J1#6.A5 16.81,110.7 16.54,110.97 14.72,110.97 13.9,111.8 R2#4.2 ; R2#10.2 102.27,29.52 103.1,28.69 104.92,28.69 105.19,28.42 J1#9.A5
